# KiCad board processor.80C188.kicad_pcb
title: DUODYNE 80c188 PROCESSOR; date: 2024-11-24; rev: v0.9
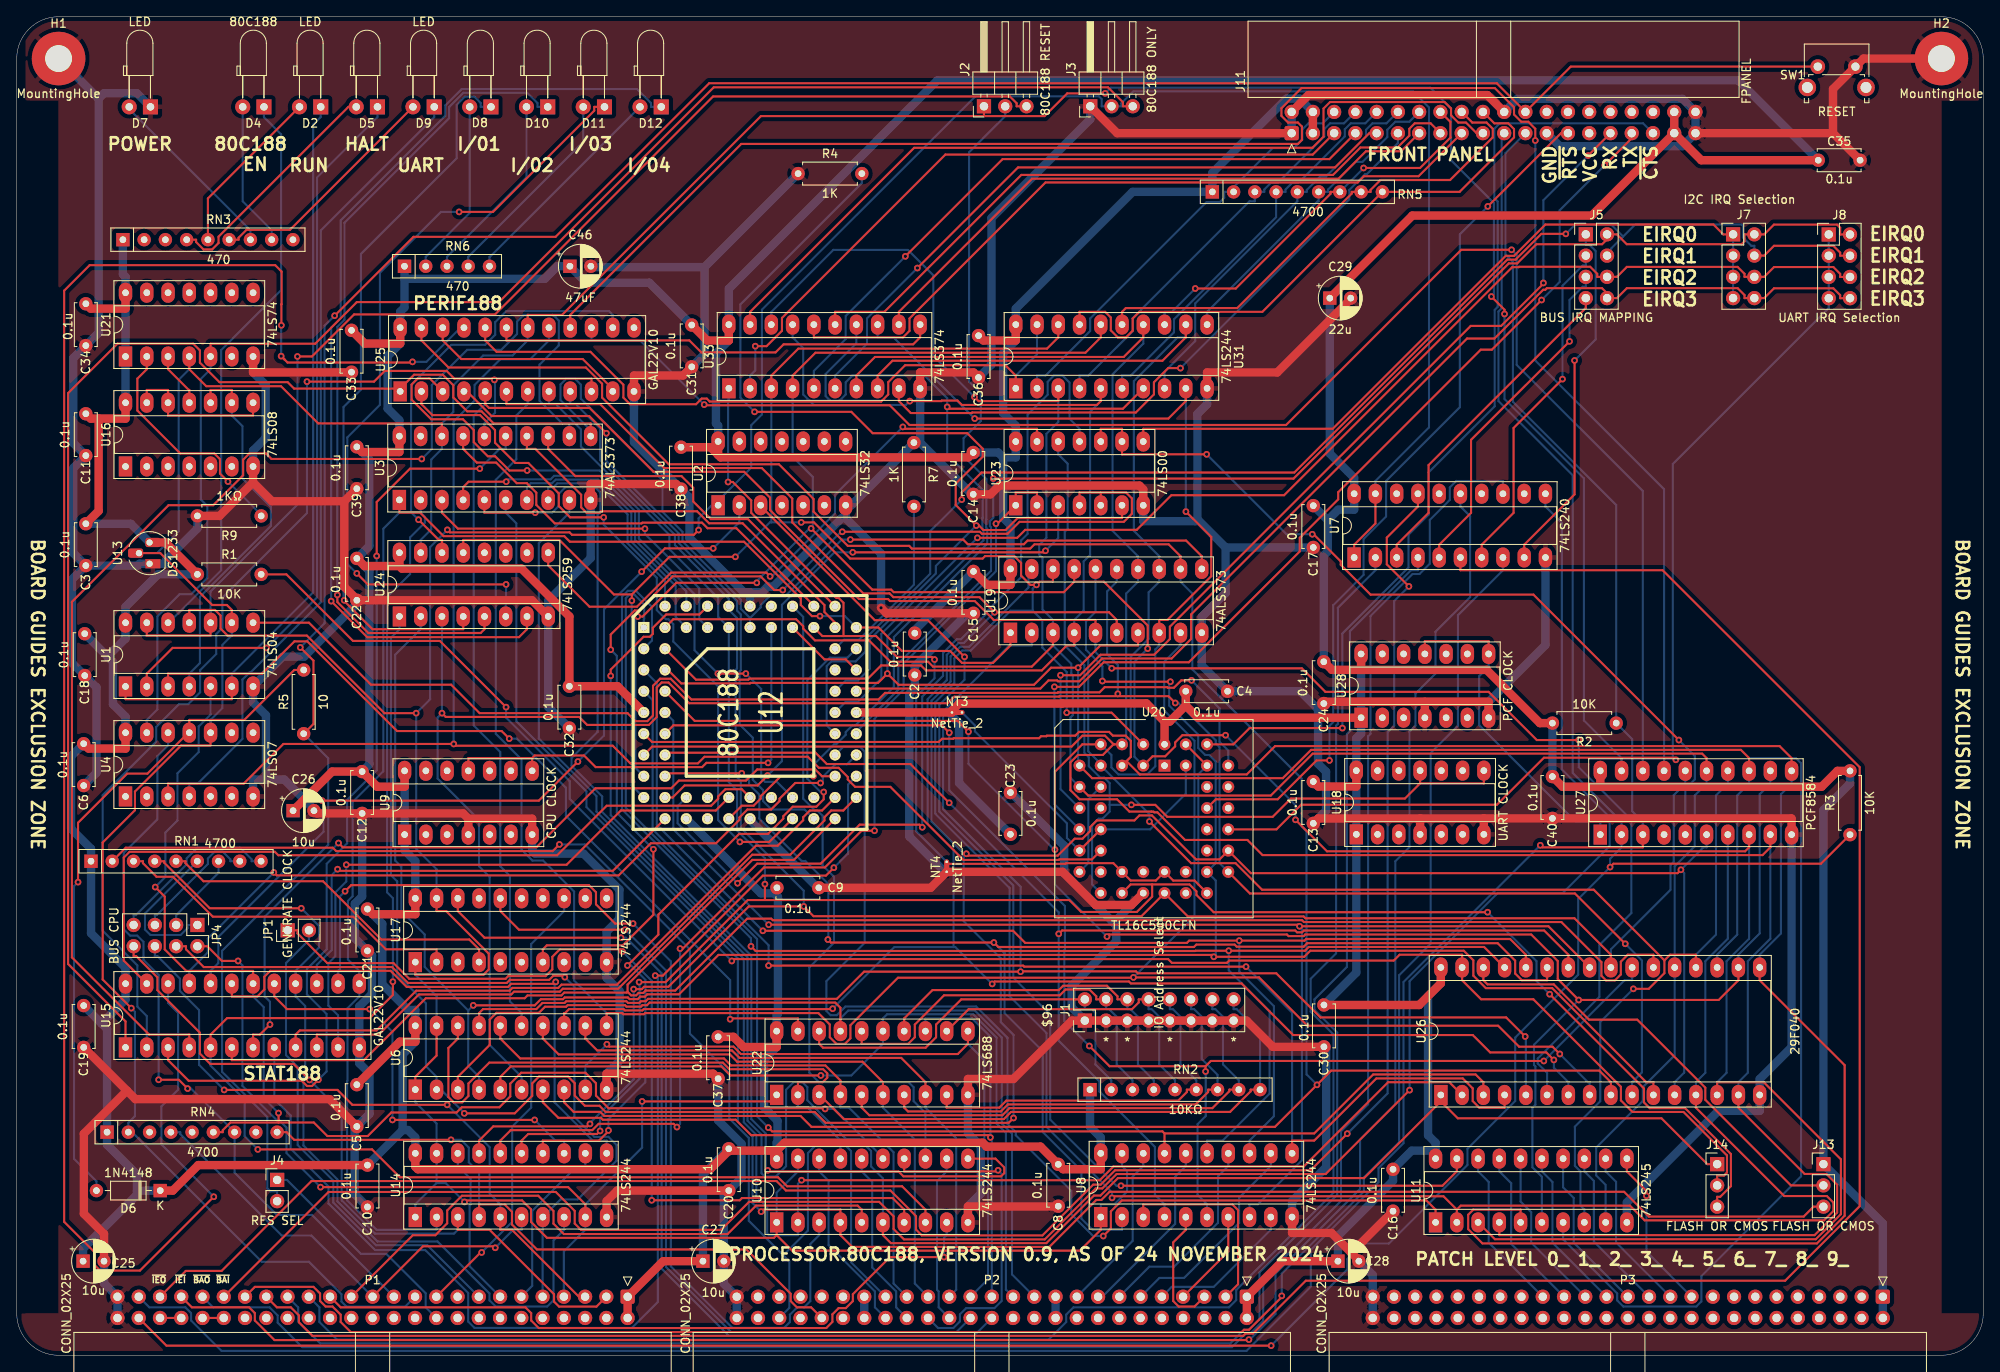
[diagram p0: board, top side]
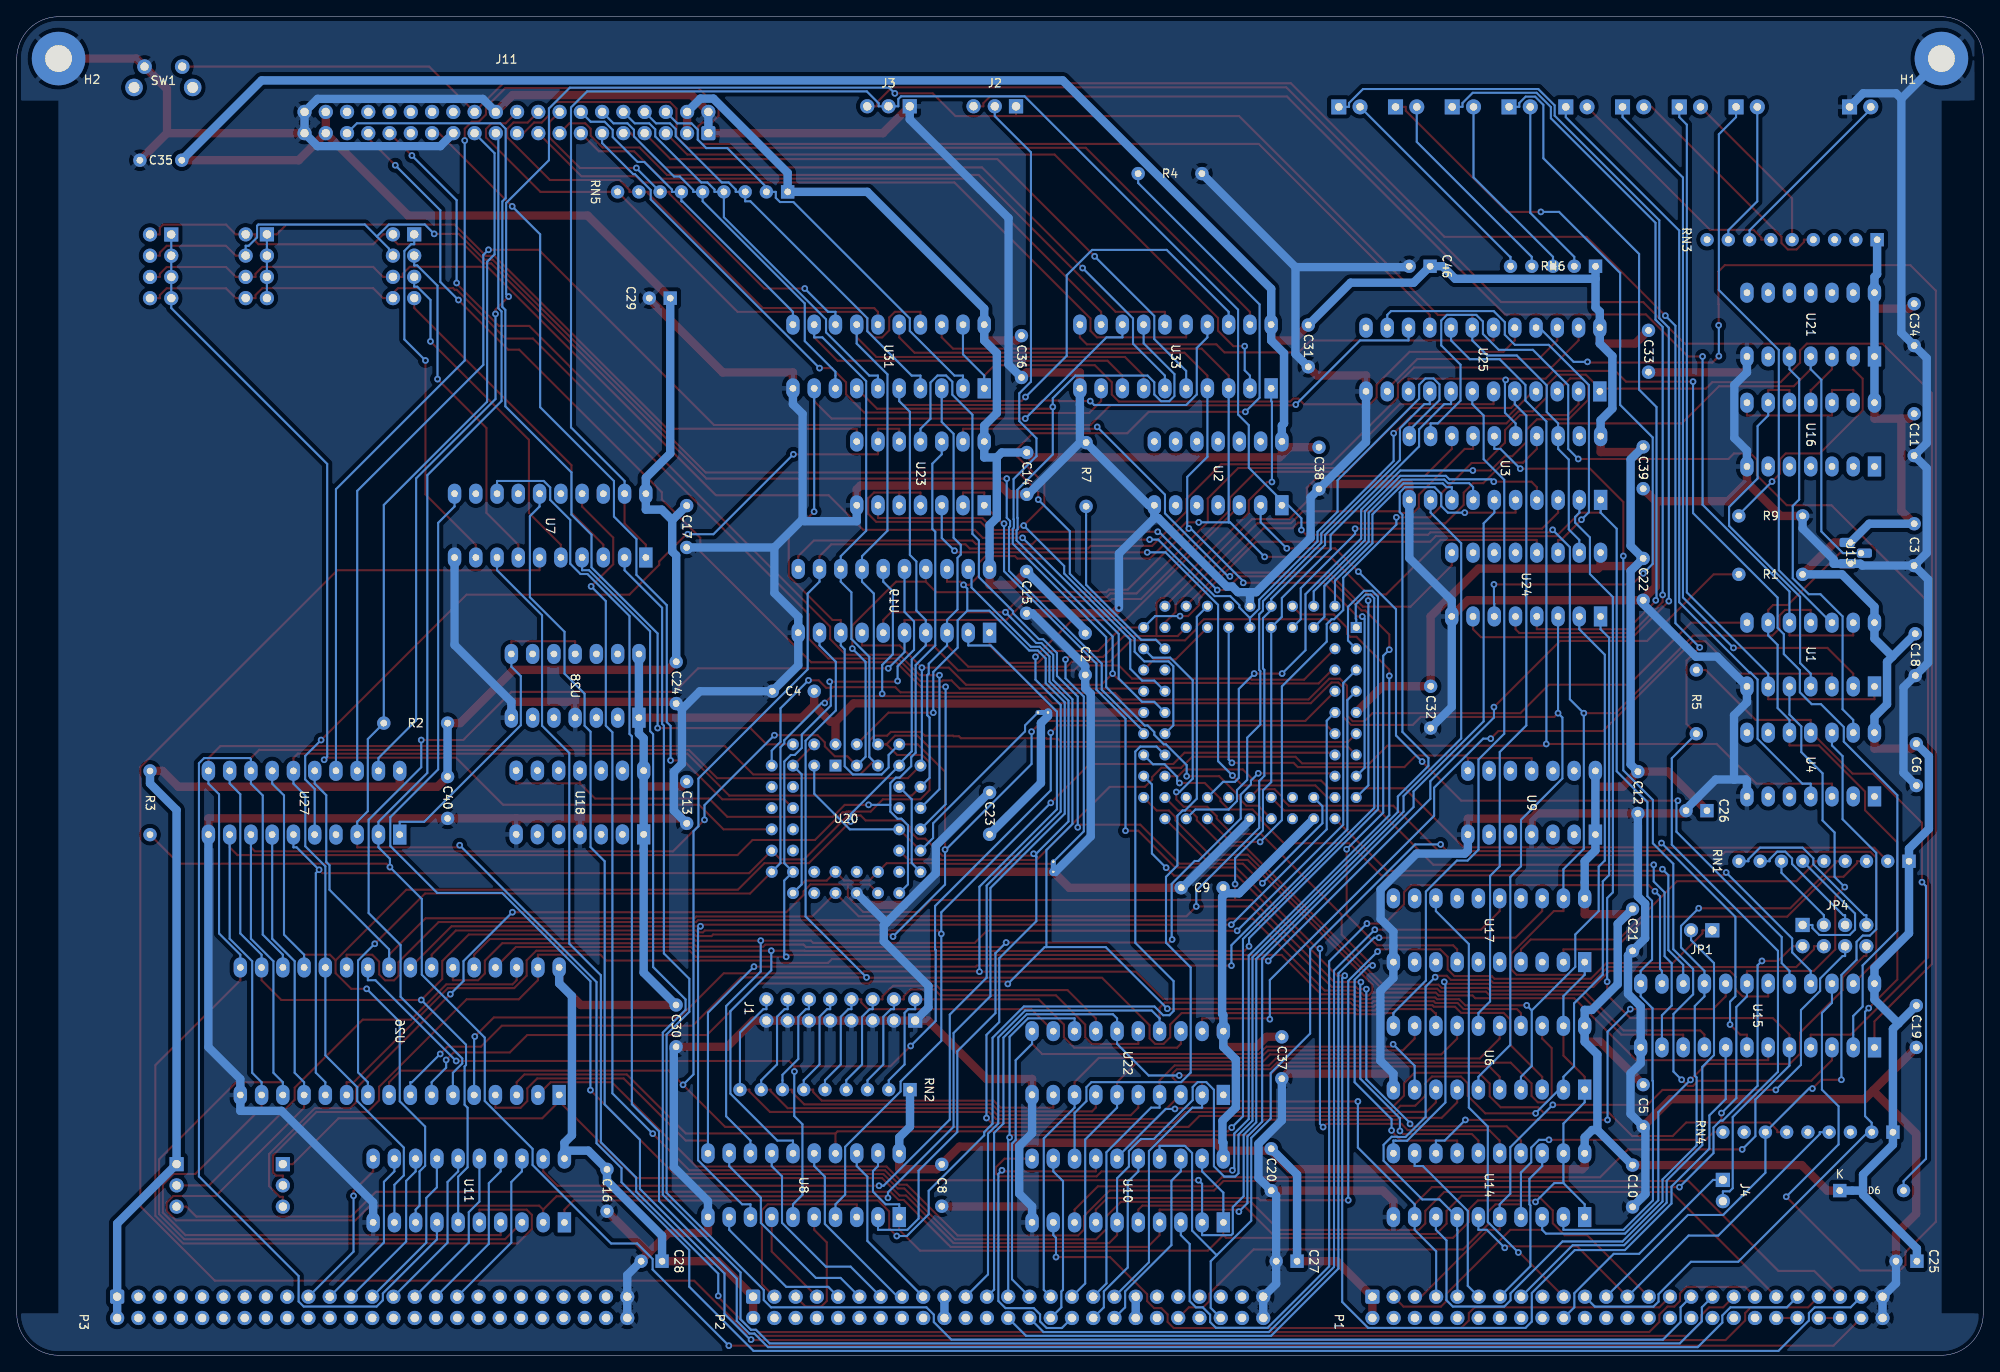
[diagram p1: board, bottom side, seen from below]

Outline 235 x 160 mm; copper layers: Top, Bottom. Coordinates in mm from the lower left corner of the outline.
Outline path: 0,155 0,5 arc(1.46,1.46) 5,0 230,0 arc(233.54,1.46) 235,5 235,155 arc(233.54,158.54) 230,160 5,160 arc(1.46,158.54) 0,155
Stack: Top 0.035mm / dielectric 1.51mm FR4 er 4.5 / Bottom 0.035mm

## Placement (name value [footprint] x y rotation side)
C2  0.1u  [C_Disc_D5.0mm_W2.5mm_P5.00mm]  107.31 86.32 270 top
C3  0.1u  [C_Disc_D5.0mm_W2.5mm_P5.00mm]  8.26 99.4 270 top
C4  0.1u  [C_Disc_D5.0mm_W2.5mm_P5.00mm]  139.7 79.38 0 top
C5  0.1u  [C_Disc_D5.0mm_W2.5mm_P5.00mm]  40.64 32.34 270 top
C6  0.1u  [C_Disc_D5.0mm_W2.5mm_P5.00mm]  8 73.1 270 top
C8  0.1u  [C_Disc_D5.0mm_W2.5mm_P5.00mm]  124.46 22.82 270 top
C9  0.1u  [C_Disc_D5.0mm_W2.5mm_P5.00mm]  90.84 55.88 0 top
C10  0.1u  [C_Disc_D5.0mm_W2.5mm_P5.00mm]  41.91 22.73 270 top
C11  0.1u  [C_Disc_D5.0mm_W2.5mm_P5.00mm]  8.26 112.54 270 top
C12  0.1u  [C_Disc_D5.0mm_W2.5mm_P5.00mm]  41.28 69.77 270 top
C13  0.1u  [C_Disc_D5.0mm_W2.5mm_P5.00mm]  154.94 68.58 270 top
C14  0.1u  [C_Disc_D5.0mm_W2.5mm_P5.00mm]  114.3 107.91 270 top
C15  0.1u  [C_Disc_D5.0mm_W2.5mm_P5.00mm]  114.33 93.69 270 top
C16  0.1u  [C_Disc_D5.0mm_W2.5mm_P5.00mm]  164.47 22.22 270 top
C17  0.1u  [C_Disc_D5.0mm_W2.5mm_P5.00mm]  154.94 101.56 270 top
C18  0.1u  [C_Disc_D5.0mm_W2.5mm_P5.00mm]  8.12 86.25 270 top
C19  0.1u  [C_Disc_D5.0mm_W2.5mm_P5.00mm]  8 41.8 270 top
C20  0.1u  [C_Disc_D5.0mm_W2.5mm_P5.00mm]  85.09 24.69 270 top
C21  0.1u  [C_Disc_D5.0mm_W2.5mm_P5.00mm]  41.91 53.34 270 top
C22  0.1u  [C_Disc_D5.0mm_W2.5mm_P5.00mm]  40.64 95.25 270 top
C23  0.1u  [C_Disc_D5.0mm_W2.5mm_P5.00mm]  118.75 62.27 90 top
C24  0.1u  [C_Disc_D5.0mm_W2.5mm_P5.00mm]  156.19 82.9 270 top
C25  10u  [CP_Radial_D5.0mm_P2.50mm]  7.93 11.25 0 top
C26  10u  [CP_Radial_D5.0mm_P2.50mm]  33.02 65.1 0 top
C27  10u  [CP_Radial_D5.0mm_P2.50mm]  82 11.25 0 top
C28  10u  [CP_Radial_D5.0mm_P2.50mm]  157.88 11.25 0 top
C29  22u  [CP_Radial_D5.0mm_P2.50mm]  156.91 126.36 0 top
C30  0.1u  [C_Disc_D5.0mm_W2.5mm_P5.00mm]  156.21 41.87 270 top
C31  0.1u  [C_Disc_D5.0mm_W2.5mm_P5.00mm]  80.66 123.15 270 top
C32  0.1u  [C_Disc_D5.0mm_W2.5mm_P5.00mm]  66.04 79.97 270 top
C33  0.1u  [C_Disc_D5.0mm_W2.5mm_P5.00mm]  40 122.52 270 top
C34  0.1u  [C_Disc_D5.0mm_W2.5mm_P5.00mm]  8.26 125.69 270 top
C35  0.1u  [C_Disc_D5.0mm_W2.5mm_P5.00mm]  215.28 142.85 0 top
C36  0.1u  [C_Disc_D5.0mm_W2.5mm_P5.00mm]  114.94 121.88 270 top
C37  0.1u  [C_Disc_D5.0mm_W2.5mm_P5.00mm]  83.82 38.06 270 top
C38  0.1u  [C_Disc_D5.0mm_W2.5mm_P5.00mm]  79.38 108.55 270 top
C39  0.1u  [C_Disc_D5.0mm_W2.5mm_P5.00mm]  40.64 108.58 270 top
C40  0.1u  [C_Disc_D5.0mm_W2.5mm_P5.00mm]  183.51 69.18 270 top
C46  47uF  [CP_Radial_D5.0mm_P2.50mm]  66.1 130.18 0 top
D2  LED  [LED_D3.0mm_Horizontal_O3.81mm_Z2.0mm]  36.33 149.22 180 top
D4  80C188  [LED_D3.0mm_Horizontal_O3.81mm_Z2.0mm]  29.54 149.22 180 top
D5  LED  [LED_D3.0mm_Horizontal_O3.81mm_Z2.0mm]  43.11 149.22 180 top
D6  1N4148  [D_DO-35_SOD27_P7.62mm_Horizontal]  17.15 19.69 180 top
D7  LED  [LED_D3.0mm_Horizontal_O3.81mm_Z2.0mm]  15.98 149.22 180 top
D8  LED  [LED_D3.0mm_Horizontal_O3.81mm_Z2.0mm]  56.67 149.22 180 top
D9  LED  [LED_D3.0mm_Horizontal_O3.81mm_Z2.0mm]  49.89 149.22 180 top
D10  LED  [LED_D3.0mm_Horizontal_O3.81mm_Z2.0mm]  63.45 149.22 180 top
D11  LED  [LED_D3.0mm_Horizontal_O3.81mm_Z2.0mm]  70.24 149.22 180 top
D12  LED  [LED_D3.0mm_Horizontal_O3.81mm_Z2.0mm]  77.02 149.22 180 top
H1  MountingHole  [MountingHole_3.2mm_M3_Pad]  5 155 0 top
H2  MountingHole  [MountingHole_3.2mm_M3_Pad]  230 155 0 top
J1  IO Address Select  [PinHeader_2x08_P2.54mm_Vertical]  127.63 40 90 top
J2  80C188 RESET  [PinHeader_1x03_P2.54mm_Horizontal]  115.59 149.3 90 top
J3  80C188 ONLY  [PinHeader_1x03_P2.54mm_Horizontal]  128.28 149.3 90 top
J4  RES SEL  [PinHeader_1x02_P2.54mm_Vertical]  31.11 20.96 0 top
J5  BUS IRQ MAPPING  [PinHeader_2x04_P2.54mm_Vertical]  187.5 133.99 0 top
J7  I2C IRQ Selection  [PinHeader_2x04_P2.54mm_Vertical]  205.1 133.99 0 top
J8  UART IRQ Selection  [PinHeader_2x04_P2.54mm_Vertical]  216.53 133.97 0 top
J11  FPANEL  [IDC-Header_2x20_P2.54mm_Horizontal]  152.35 146.08 90 top
J13  FLASH OR CMOS  [PinHeader_1x03_P2.54mm_Vertical]  215.9 22.84 0 top
J14  FLASH OR CMOS  [PinHeader_1x03_P2.54mm_Vertical]  203.2 22.84 0 top
JP1  GENERATE CLOCK  [PinHeader_1x02_P2.54mm_Vertical]  32.38 50.8 90 top
JP4  BUS CPU  [PinHeader_2x04_P2.54mm_Vertical]  21.59 51.44 270 top
NT3  NetTie_2  [NetTie-2_THT_Pad0.3mm]  111.76 76.84 0 top
NT4  NetTie_2  [NetTie-2_THT_Pad0.3mm]  111.12 57.78 90 top
P1  CONN_02X25  [IDC-Header_2x25_P2.54mm_Horizontal]  73 7 270 top
P2  CONN_02X25  [IDC-Header_2x25_P2.54mm_Horizontal]  147 7 270 top
P3  CONN_02X25  [IDC-Header_2x25_P2.54mm_Horizontal]  223 7 270 top
R1  10K  [R_Axial_DIN0207_L6.3mm_D2.5mm_P7.62mm_Horizontal]  21.59 93.34 0 top
R2  10K  [R_Axial_DIN0207_L6.3mm_D2.5mm_P7.62mm_Horizontal]  191.13 75.56 180 top
R3  10K  [R_Axial_DIN0207_L6.3mm_D2.5mm_P7.62mm_Horizontal]  219.07 62.23 90 top
R4  1K  [R_Axial_DIN0207_L6.3mm_D2.5mm_P7.62mm_Horizontal]  93.37 141.25 0 top
R5  10  [R_Axial_DIN0207_L6.3mm_D2.5mm_P7.62mm_Horizontal]  34.29 74.29 90 top
R7  1K  [R_Axial_DIN0207_L6.3mm_D2.5mm_P7.62mm_Horizontal]  107.21 109.09 270 top
R9  1KΩ  [R_Axial_DIN0207_L6.3mm_D2.5mm_P7.62mm_Horizontal]  29.21 100.33 180 top
RN1  4700  [R_Array_SIP9]  8.88 59.06 0 top
RN2  10KΩ  [R_Array_SIP9]  128.25 31.75 0 top
RN3  470  [R_Array_SIP9]  12.69 133.35 0 top
RN4  4700  [R_Array_SIP9]  10.8 26.67 0 top
RN5  4700  [R_Array_SIP9]  142.88 139.06 0 top
RN6  470  [R_Array_SIP5]  46.33 130.18 0 top
SW1  RESET  [SW_Tactile_SPST_Angled_PTS645Vx58-2LFS]  215.22 154.04 0 top
U1  74LS04  [DIP-14_W7.62mm_Socket_LongPads]  13 79.95 90 top
U2  74LS32  [DIP-14_W7.62mm_Socket_LongPads]  83.81 101.61 90 top
U3  74ALS373  [DIP-20_W7.62mm_Socket_LongPads]  45.72 102.25 90 top
U4  74LS07  [DIP-14_W7.62mm_Socket_LongPads]  13 66.8 90 top
U6  74LS244  [DIP-20_W7.62mm_Socket_LongPads]  47.63 31.76 90 top
U7  74LS240  [DIP-20_W7.62mm_Socket_LongPads]  159.82 95.36 90 top
U8  74LS244  [DIP-20_W7.62mm_Socket_LongPads]  129.54 16.52 90 top
U9  CPU CLOCK  [DIP-14_W7.62mm_Socket_LongPads]  46.35 62.24 90 top
U10  74LS244  [DIP-20_W7.62mm_Socket_LongPads]  90.81 15.88 90 top
U11  74LS245  [DIP-20_W7.62mm_Socket_LongPads]  169.55 15.88 90 top
U12  80C188  [80C188_52]  87.63 76.84 270 top
U13  DS1233  [TO-92L_HandSolder]  15.88 94.62 90 top
U14  74LS244  [DIP-20_W7.62mm_Socket_LongPads]  47.63 16.52 90 top
U15  GAL22V10  [DIP-24_W7.62mm_Socket_LongPads]  13 36.8 90 top
U16  74LS08  [DIP-14_W7.62mm_Socket_LongPads]  13 106.24 90 top
U17  74LS244  [DIP-20_W7.62mm_Socket_LongPads]  47.63 47 90 top
U18  UART CLOCK  [DIP-14_W7.62mm_Socket_LongPads]  160.08 62.26 90 top
U19  74ALS373  [DIP-20_W7.62mm_Socket_LongPads]  118.75 86.37 90 top
U20  TL16C550CFN  [PLCC-44_THT-Socket]  137.16 70.49 0 top
U21  74LS74  [DIP-14_W7.62mm_Socket_LongPads]  13 119.39 90 top
U22  74LS688  [DIP-20_W7.62mm_Socket_LongPads]  90.81 31.12 90 top
U23  74LS00  [DIP-14_W7.62mm_Socket_LongPads]  119.38 101.6 90 top
U24  74LS259  [DIP-16_W7.62mm_Socket_LongPads]  45.73 88.31 90 top
U25  GAL22V10  [DIP-24_W7.62mm_Socket_LongPads]  45.82 115.21 90 top
U26  29F040  [DIP-32_W15.24mm_Socket_LongPads]  170.18 31.12 90 top
U27  PCF8584  [DIP-20_W7.62mm_Socket_LongPads]  189.24 62.24 90 top
U28  PCF CLOCK  [DIP-14_W7.62mm_Socket_LongPads]  160.65 76.21 90 top
U31  74LS244  [DIP-20_W7.62mm_Socket_LongPads]  119.38 115.58 90 top
U33  74LS374  [DIP-20_W7.62mm_Socket_LongPads]  85.09 115.58 90 top

## Footprints (pads in the part's own frame, mm; a bottom-side part is the same pattern mirrored in y, then rotated)
80C188_52
  rect 1.321x1.321 hole 0.813: 1(-10.16,-12.7)
  round 1.321 hole 0.813: 2(-10.16,-10.16) 3(-7.62,-12.7) 4(-7.62,-10.16) 5(-5.08,-12.7) 6(-5.08,-10.16) 7(-2.54,-12.7) 8(-2.54,-10.16) 9(0,-12.7) 10(0,-10.16) 11(2.54,-12.7) 12(2.54,-10.16) 13(5.08,-12.7) 14(5.08,-10.16) 15(7.62,-12.7) 16(7.62,-10.16) 17(10.16,-12.7) 18(12.7,-10.16) 19(10.16,-10.16) 20(12.7,-7.62) 21(10.16,-7.62) 22(12.7,-5.08) 23(10.16,-5.08) 24(12.7,-2.54) 25(10.16,-2.54) 26(12.7,0) 27(10.16,0) 28(12.7,2.54) 29(10.16,2.54) 30(12.7,5.08) 31(10.16,5.08) 32(12.7,7.62) 33(10.16,7.62) 34(12.7,10.16) 35(10.16,12.7) 36(10.16,10.16) 37(7.62,12.7) 38(7.62,10.16) 39(5.08,12.7) 40(5.08,10.16) 41(2.54,12.7) 42(2.54,10.16) 43(0,12.7) 44(0,10.16) 45(-2.54,12.7) 46(-2.54,10.16) 47(-5.08,12.7) 48(-5.08,10.16) 49(-7.62,12.7) 50(-7.62,10.16) 51(-10.16,12.7) 52(-12.7,10.16) 53(-10.16,10.16) 54(-12.7,7.62) 55(-10.16,7.62) 56(-12.7,5.08) 57(-10.16,5.08) 58(-12.7,2.54) 59(-10.16,2.54) 60(-12.7,0) 61(-10.16,0) 62(-12.7,-2.54) 63(-10.16,-2.54) 64(-12.7,-5.08) 65(-10.16,-5.08) 66(-12.7,-7.62) 67(-10.16,-7.62) 68(-12.7,-10.16)
C_Disc_D5.0mm_W2.5mm_P5.00mm
  round 1.6 hole 0.8: 1(0,0) 2(5,0)
CP_Radial_D5.0mm_P2.50mm
  rect 1.6x1.6 hole 0.8: 1(0,0)
  round 1.6 hole 0.8: 2(2.5,0)
D_DO-35_SOD27_P7.62mm_Horizontal
  rect 1.6x1.6 hole 0.8: 1(0,0)
  oval 1.6x1.6 hole 0.8: 2(7.62,0)
DIP-14_W7.62mm_Socket_LongPads
  rect 2.4x1.6 hole 0.8: 1(0,0)
  oval 2.4x1.6 hole 0.8: 2(0,-2.54) 3(0,-5.08) 4(0,-7.62) 5(0,-10.16) 6(0,-12.7) 7(0,-15.24) 8(7.62,-15.24) 9(7.62,-12.7) 10(7.62,-10.16) 11(7.62,-7.62) 12(7.62,-5.08) 13(7.62,-2.54) 14(7.62,0)
DIP-16_W7.62mm_Socket_LongPads
  rect 2.4x1.6 hole 0.8: 1(0,0)
  oval 2.4x1.6 hole 0.8: 2(0,-2.54) 3(0,-5.08) 4(0,-7.62) 5(0,-10.16) 6(0,-12.7) 7(0,-15.24) 8(0,-17.78) 9(7.62,-17.78) 10(7.62,-15.24) 11(7.62,-12.7) 12(7.62,-10.16) 13(7.62,-7.62) 14(7.62,-5.08) 15(7.62,-2.54) 16(7.62,0)
DIP-20_W7.62mm_Socket_LongPads
  rect 2.4x1.6 hole 0.8: 1(0,0)
  oval 2.4x1.6 hole 0.8: 2(0,-2.54) 3(0,-5.08) 4(0,-7.62) 5(0,-10.16) 6(0,-12.7) 7(0,-15.24) 8(0,-17.78) 9(0,-20.32) 10(0,-22.86) 11(7.62,-22.86) 12(7.62,-20.32) 13(7.62,-17.78) 14(7.62,-15.24) 15(7.62,-12.7) 16(7.62,-10.16) 17(7.62,-7.62) 18(7.62,-5.08) 19(7.62,-2.54) 20(7.62,0)
DIP-24_W7.62mm_Socket_LongPads
  rect 2.4x1.6 hole 0.8: 1(0,0)
  oval 2.4x1.6 hole 0.8: 2(0,-2.54) 3(0,-5.08) 4(0,-7.62) 5(0,-10.16) 6(0,-12.7) 7(0,-15.24) 8(0,-17.78) 9(0,-20.32) 10(0,-22.86) 11(0,-25.4) 12(0,-27.94) 13(7.62,-27.94) 14(7.62,-25.4) 15(7.62,-22.86) 16(7.62,-20.32) 17(7.62,-17.78) 18(7.62,-15.24) 19(7.62,-12.7) 20(7.62,-10.16) 21(7.62,-7.62) 22(7.62,-5.08) 23(7.62,-2.54) 24(7.62,0)
DIP-32_W15.24mm_Socket_LongPads
  rect 2.4x1.6 hole 0.8: 1(0,0)
  oval 2.4x1.6 hole 0.8: 2(0,-2.54) 3(0,-5.08) 4(0,-7.62) 5(0,-10.16) 6(0,-12.7) 7(0,-15.24) 8(0,-17.78) 9(0,-20.32) 10(0,-22.86) 11(0,-25.4) 12(0,-27.94) 13(0,-30.48) 14(0,-33.02) 15(0,-35.56) 16(0,-38.1) 17(15.24,-38.1) 18(15.24,-35.56) 19(15.24,-33.02) 20(15.24,-30.48) 21(15.24,-27.94) 22(15.24,-25.4) 23(15.24,-22.86) 24(15.24,-20.32) 25(15.24,-17.78) 26(15.24,-15.24) 27(15.24,-12.7) 28(15.24,-10.16) 29(15.24,-7.62) 30(15.24,-5.08) 31(15.24,-2.54) 32(15.24,0)
IDC-Header_2x20_P2.54mm_Horizontal
  rrect 1.7x1.7 hole 1: 1(0,0)
  round 1.7 hole 1: 2(2.54,0) 3(0,-2.54) 4(2.54,-2.54) 5(0,-5.08) 6(2.54,-5.08) 7(0,-7.62) 8(2.54,-7.62) 9(0,-10.16) 10(2.54,-10.16) 11(0,-12.7) 12(2.54,-12.7) 13(0,-15.24) 14(2.54,-15.24) 15(0,-17.78) 16(2.54,-17.78) 17(0,-20.32) 18(2.54,-20.32) 19(0,-22.86) 20(2.54,-22.86) 21(0,-25.4) 22(2.54,-25.4) 23(0,-27.94) 24(2.54,-27.94) 25(0,-30.48) 26(2.54,-30.48) 27(0,-33.02) 28(2.54,-33.02) 29(0,-35.56) 30(2.54,-35.56) 31(0,-38.1) 32(2.54,-38.1) 33(0,-40.64) 34(2.54,-40.64) 35(0,-43.18) 36(2.54,-43.18) 37(0,-45.72) 38(2.54,-45.72) 39(0,-48.26) 40(2.54,-48.26)
IDC-Header_2x25_P2.54mm_Horizontal
  rrect 1.7x1.7 hole 1: 1(0,0)
  round 1.7 hole 1: 2(2.54,0) 3(0,-2.54) 4(2.54,-2.54) 5(0,-5.08) 6(2.54,-5.08) 7(0,-7.62) 8(2.54,-7.62) 9(0,-10.16) 10(2.54,-10.16) 11(0,-12.7) 12(2.54,-12.7) 13(0,-15.24) 14(2.54,-15.24) 15(0,-17.78) 16(2.54,-17.78) 17(0,-20.32) 18(2.54,-20.32) 19(0,-22.86) 20(2.54,-22.86) 21(0,-25.4) 22(2.54,-25.4) 23(0,-27.94) 24(2.54,-27.94) 25(0,-30.48) 26(2.54,-30.48) 27(0,-33.02) 28(2.54,-33.02) 29(0,-35.56) 30(2.54,-35.56) 31(0,-38.1) 32(2.54,-38.1) 33(0,-40.64) 34(2.54,-40.64) 35(0,-43.18) 36(2.54,-43.18) 37(0,-45.72) 38(2.54,-45.72) 39(0,-48.26) 40(2.54,-48.26) 41(0,-50.8) 42(2.54,-50.8) 43(0,-53.34) 44(2.54,-53.34) 45(0,-55.88) 46(2.54,-55.88) 47(0,-58.42) 48(2.54,-58.42) 49(0,-60.96) 50(2.54,-60.96)
LED_D3.0mm_Horizontal_O3.81mm_Z2.0mm
  rect 1.8x1.8 hole 0.9: 1(0,0)
  round 1.8 hole 0.9: 2(2.54,0)
MountingHole_3.2mm_M3_Pad
  round 6.4 hole 3.2: 1(0,0)
NetTie-2_THT_Pad0.3mm
  round 0.6 hole 0.3: 1(0,0) 2(1.2,0)
PinHeader_1x02_P2.54mm_Vertical
  rect 1.7x1.7 hole 1: 1(0,0)
  oval 1.7x1.7 hole 1: 2(0,-2.54)
PinHeader_1x03_P2.54mm_Horizontal
  rect 1.7x1.7 hole 1: 1(0,0)
  oval 1.7x1.7 hole 1: 2(0,-2.54) 3(0,-5.08)
PinHeader_1x03_P2.54mm_Vertical
  rect 1.7x1.7 hole 1: 1(0,0)
  oval 1.7x1.7 hole 1: 2(0,-2.54) 3(0,-5.08)
PinHeader_2x04_P2.54mm_Vertical
  rect 1.7x1.7 hole 1: 1(0,0)
  oval 1.7x1.7 hole 1: 2(2.54,0) 3(0,-2.54) 4(2.54,-2.54) 5(0,-5.08) 6(2.54,-5.08) 7(0,-7.62) 8(2.54,-7.62)
PinHeader_2x08_P2.54mm_Vertical
  rect 1.7x1.7 hole 1: 1(0,0)
  oval 1.7x1.7 hole 1: 2(2.54,0) 3(0,-2.54) 4(2.54,-2.54) 5(0,-5.08) 6(2.54,-5.08) 7(0,-7.62) 8(2.54,-7.62) 9(0,-10.16) 10(2.54,-10.16) 11(0,-12.7) 12(2.54,-12.7) 13(0,-15.24) 14(2.54,-15.24) 15(0,-17.78) 16(2.54,-17.78)
PLCC-44_THT-Socket
  rect 1.422x1.422 hole 0.8: 1(0,0)
  round 1.422 hole 0.8: 2(-2.54,2.54) 3(-2.54,0) 4(-5.08,2.54) 5(-5.08,0) 6(-7.62,2.54) 7(-10.16,0) 8(-7.62,0) 9(-10.16,-2.54) 10(-7.62,-2.54) 11(-10.16,-5.08) 12(-7.62,-5.08) 13(-10.16,-7.62) 14(-7.62,-7.62) 15(-10.16,-10.16) 16(-7.62,-10.16) 17(-10.16,-12.7) 18(-7.62,-15.24) 19(-7.62,-12.7) 20(-5.08,-15.24) 21(-5.08,-12.7) 22(-2.54,-15.24) 23(-2.54,-12.7) 24(0,-15.24) 25(0,-12.7) 26(2.54,-15.24) 27(2.54,-12.7) 28(5.08,-15.24) 29(7.62,-12.7) 30(5.08,-12.7) 31(7.62,-10.16) 32(5.08,-10.16) 33(7.62,-7.62) 34(5.08,-7.62) 35(7.62,-5.08) 36(5.08,-5.08) 37(7.62,-2.54) 38(5.08,-2.54) 39(7.62,0) 40(5.08,2.54) 41(5.08,0) 42(2.54,2.54) 43(2.54,0) 44(0,2.54)
R_Array_SIP5
  rect 1.6x1.6 hole 0.8: 1(0,0)
  oval 1.6x1.6 hole 0.8: 2(2.54,0) 3(5.08,0) 4(7.62,0) 5(10.16,0)
R_Array_SIP9
  rect 1.6x1.6 hole 0.8: 1(0,0)
  oval 1.6x1.6 hole 0.8: 2(2.54,0) 3(5.08,0) 4(7.62,0) 5(10.16,0) 6(12.7,0) 7(15.24,0) 8(17.78,0) 9(20.32,0)
R_Axial_DIN0207_L6.3mm_D2.5mm_P7.62mm_Horizontal
  round 1.6 hole 0.8: 1(0,0)
  oval 1.6x1.6 hole 0.8: 2(7.62,0)
SW_Tactile_SPST_Angled_PTS645Vx58-2LFS
  round 2.1 hole 1.3: (-1.25,-2.49) (5.76,-2.49)
  round 1.75 hole 0.99: 1(0,0) 2(4.5,0)
TO-92L_HandSolder
  rect 1.1x1.8 hole 0.75: 1(0,0)
  rrect 1.1x1.8 hole 0.75: 2(1.27,1.27) 3(2.54,0)

## Nets
+12V: P2.19 P2.20
-12V: P2.37 P2.38
GND: C2.2 C3.2 C4.2 C5.2 C6.2 C8.2 C9.2 C10.2 C11.2 C12.2 C13.2 C14.2 C15.2 C16.2 C17.2 C18.2 C19.2 C20.2 C21.2 C22.2 C23.2 C24.2 C25.2 C26.2 C27.2 C28.2 C29.2 C30.2 C31.2 C32.2 C33.2 C34.2 C35.2 C36.2 C37.2 C38.2 C39.2 C40.2 C46.2 D7.1 H1.1 H2.1 J1.1 J1.3 J1.5 J1.7 J1.9 J1.11 J1.13 J1.15 J3.1 J11.1 J11.2 J11.22 J11.25 J11.39 J11.40 NT4.1 P1.49 P1.50 P2.49 P2.50 P3.49 P3.50 R4.1 R7.1 R9.2 SW1.2 U1.7 U2.7 U3.10 U4.7 U6.10 U7.10 U8.10 U9.4 U9.7 U10.10 U11.10 U12.26 U12.60 U13.1 U14.10 U15.12 U16.7 U17.10 U18.4 U18.7 U19.10 U20.22 U21.7 U22.10 U23.7 U24.8 U25.12 U26.16 U27.10 U28.4 U28.7 U31.10 U33.10
VCC: C2.1 C3.1 C4.1 C5.1 C6.1 C8.1 C9.1 C10.1 C11.1 C12.1 C13.1 C14.1 C15.1 C16.1 C17.1 C18.1 C19.1 C20.1 C21.1 C22.1 C23.1 C24.1 C25.1 C26.1 C27.1 C28.1 C29.1 C30.1 C31.1 C32.1 C33.1 C34.1 C35.1 C36.1 C37.1 C38.1 C39.1 C40.1 C46.1 D6.1 J11.3 J11.4 J11.37 J11.38 J13.1 NT3.1 P1.1 P1.2 P2.1 P2.2 P3.1 P3.2 R1.1 R2.2 R3.2 RN1.1 RN2.1 RN3.1 RN4.1 RN5.1 RN6.1 U1.14 U2.14 U3.20 U4.14 U6.20 U7.20 U8.20 U9.1 U9.14 U10.20 U11.20 U12.9 U12.20 U12.43 U13.3 U14.20 U15.24 U16.14 U17.20 U18.1 U18.14 U19.20 U20.44 U21.1 U21.14 U22.20 U23.14 U24.16 U25.24 U26.32 U27.20 U28.1 U28.14 U31.20 U33.20
88TOGGLE: U16.11 U21.3
188EN: J2.3 U1.10 U1.13
188RST: J2.2 U12.24
470C: D5.2 RN3.4
470D: D2.2 RN3.5
470E: D9.2 RN3.6
470F: D7.2 RN3.7
470G: D4.2 RN3.8
/bus/A22: P2.24
/bus/A23: P2.22
/bus/A24: P2.18
/bus/A25: P2.16
/bus/A26: P2.14
/bus/A27: P2.12
/bus/A28: P2.10
/bus/A29: P2.8
/bus/A30: P2.6
/bus/A31: P2.4
/bus/AUXCLK0: P2.48
/bus/AUXCLK1: P2.47
/bus/AUXCLK2: P3.48
/bus/AUXCLK3: P3.46
/bus/CRUCLK: P1.14
/bus/CRUIN: P1.18
/bus/CRUOUT: P1.16
/bus/D8: P3.17
/bus/D9: P3.15
/bus/D10: P3.13
/bus/D11: P3.11
/bus/D12: P3.9
/bus/D13: P3.7
/bus/D14: P3.5
/bus/D15: P3.3
/bus/D16: P3.34
/bus/D17: P3.32
/bus/D18: P3.30
/bus/D19: P3.28
/bus/D20: P3.26
/bus/D21: P3.24
/bus/D22: P3.22
/bus/D23: P3.20
/bus/D24: P3.18
/bus/D25: P3.16
/bus/D26: P3.14
/bus/D27: P3.12
/bus/D28: P3.10
/bus/D29: P3.8
/bus/D30: P3.6
/bus/D31: P3.4
/bus/E: P1.4
/bus/IC0: P2.45
/bus/IC1: P2.43
/bus/IC2: P2.41
/bus/IC3: P2.39
/bus/IPL0: P3.47
/bus/IPL1: P3.45
/bus/IPL2: P3.43
/bus/LDS: P3.38
/bus/PHI: P1.8
/bus/S0: P3.44
/bus/S1: P3.42
/bus/S2: P3.40
/bus/ST: P1.6
/bus/UDS: P3.36
/bus/USER0: P1.38
/bus/USER1: P1.36
/bus/USER2: P1.34
/bus/USER3: P1.32
/bus/USER4: P1.30
/bus/USER5: P1.28
/bus/USER6: P1.26
/bus/USER7: P1.24
/bus/USER8: P1.22
/bus/~{BHE}: P3.41
/bus/~{BUSERR}: P3.35
/bus/~{INT1}: P1.12
/bus/~{INT2}: P1.10
/bus/~{TEND0}: P2.44
/bus/~{TEND1}: P2.40
/bus/~{VMA}: P3.39
/bus/~{VPA}: P3.37
/fpanel/FP-D0: J11.6 RN5.2 U31.2
/fpanel/FP-D1: J11.8 RN5.3 U31.4
/fpanel/FP-D2: J11.10 RN5.4 U31.6
/fpanel/FP-D3: J11.12 RN5.5 U31.8
/fpanel/FP-D4: J11.14 RN5.6 U31.11
/fpanel/FP-D5: J11.16 RN5.7 U31.13
/fpanel/FP-D6: J11.18 RN5.8 U31.15
/fpanel/FP-D7: J11.20 RN5.9 U31.17
A0: P2.35 U6.18 U22.2
A1: P2.33 U6.16 U22.4
A2: P2.31 U6.14 U22.6
A3: P2.29 U6.12 U22.8
A4: P2.27 U6.9 U22.11
A5: P2.25 U6.7 U22.13
A6: P2.23 U6.5 U22.15
A7: P2.21 U6.3 U22.17
A8: P2.17 U8.18
A9: P2.15 U8.16
A10: P2.13 U8.14
A11: P2.11 U8.12
A12: P2.9 U8.9
A13: P2.7 U8.7
A14: P2.5 U8.5
A15: P2.3 U8.3
A16: P2.36 U10.18
A17: P2.34 U10.16
A18: P2.32 U10.14
A19: P2.30 U10.12
A20: P2.28 U17.16
A21: P2.26 U17.18
ALE: U3.11 U12.61 U15.1 U19.11 U25.1
bCLK: JP1.2 P1.15
CLKOUT: U10.13 U12.56
CPU-A0: U6.2 U19.19 U20.31 U24.1 U26.12 U27.6
CPU-A1: U6.4 U19.16 U20.30 U24.2 U26.11
CPU-A2: U6.6 U19.15 U20.29 U24.3 U26.10
CPU-A3: U6.8 U19.12 U25.23 U26.9
CPU-A4: U6.11 U19.9 U25.7 U26.8
CPU-A5: U6.13 U19.6 U25.6 U26.7
CPU-A6: U6.15 U19.5 U25.5 U26.6
CPU-A7: U6.17 U19.2 U26.5
CPU-A8: U8.2 U12.16 U26.27
CPU-A9: U8.4 U12.14 U26.26
CPU-A10: U8.6 U12.12 U26.23
CPU-A11: U8.8 U12.10 U26.25
CPU-A12: U8.11 U12.7 U26.4
CPU-A13: U8.13 U12.5 U26.28
CPU-A14: U8.15 U12.3 U26.29
CPU-A15: U8.17 U12.1 U26.3
CPU-A16: U3.9 U10.2 U26.2
CPU-A17: J13.3 U3.6 U10.4
CPU-A18: J14.1 U3.5 U10.6 U26.1
CPU-A19: U3.2 U10.8 U15.5
CPU-A20: RN1.5 U17.4
CPU-A21: RN1.3 U17.2
CPU-D0: U11.2 U12.17 U19.18 U20.2 U24.13 U26.13 U27.7 U31.18 U33.3
CPU-D1: U11.3 U12.15 U19.17 U20.3 U26.14 U27.8 U31.16 U33.4
CPU-D2: U11.4 U12.13 U19.14 U20.4 U26.15 U27.9 U31.14 U33.7
CPU-D3: U11.5 U12.11 U19.13 U20.5 U26.17 U27.11 U31.12 U33.8
CPU-D4: U11.6 U12.8 U19.8 U20.6 U26.18 U27.12 U31.9 U33.13
CPU-D5: U11.7 U12.6 U19.7 U20.7 U26.19 U27.13 U31.7 U33.14
CPU-D6: U11.8 U12.4 U19.4 U20.8 U26.20 U27.14 U31.5 U33.17
CPU-D7: U11.9 U12.2 U19.3 U20.9 U26.21 U27.15 U31.3 U33.18
CPU-DREQ0: U12.18 U15.15
CPU-INT0: J5.8 J7.8 J8.8 U12.45
CPU-INT1: J5.6 J7.6 J8.6 U12.44
CPU-INT2: J5.4 J7.4 J8.4 U12.42
CPU-INT3: J5.2 J7.2 J8.2 U12.41
CPU-NMI: R4.2 U12.46 U23.6
CPU_S0: U3.13 U12.52
CPU_S1: U3.14 U12.53
CPU_S2: U3.17 U12.54
D0: P3.33 U11.18
D1: P3.31 U11.17
D2: P3.29 U11.16
D3: P3.27 U11.15
D4: P3.25 U11.14
D5: P3.23 U11.13
D6: P3.21 U11.12
D7: P3.19 U11.11
DT~{R}_TS: U11.1 U12.40
FP-LATCH-WR: U25.19 U33.11
HLDA: U3.1 U12.51 U14.2 U15.13 U19.1
HOLD: R7.2 U12.50
I2C_SCL: J11.23 P1.47 R2.1 U27.3
I2C_SDA: J11.21 P1.48 R3.1 U27.2
ONE: NT3.2 U20.14 U20.15 U20.43
RX: J11.31 U20.11
S0: U3.12 U15.4
S1: U3.15 U15.3
S2: U3.16 U15.2 U25.10
SRDY: U12.49 U14.14
TMR1_IN: U12.21 U23.11
TX: J11.33 U20.13
UART-CLK: U18.8 U18.11 U20.18 U23.12
UART_INT: J8.1 J8.3 J8.5 J8.7 U20.33
ZERO: NT4.2 U12.55 U20.21 U20.25 U20.28 U20.41 U20.42 U33.1
~{188ACTIVE}: J3.3 U4.13 U21.5
~{188EN}: J3.2 U1.11 U2.1 U6.1 U6.19 U7.1 U7.19 U8.1 U8.19 U10.1 U10.19 U14.1 U14.19 U17.1 U17.19